# KiCad board Part 10-AMLDC-2044B.kicad_pcb (continued)
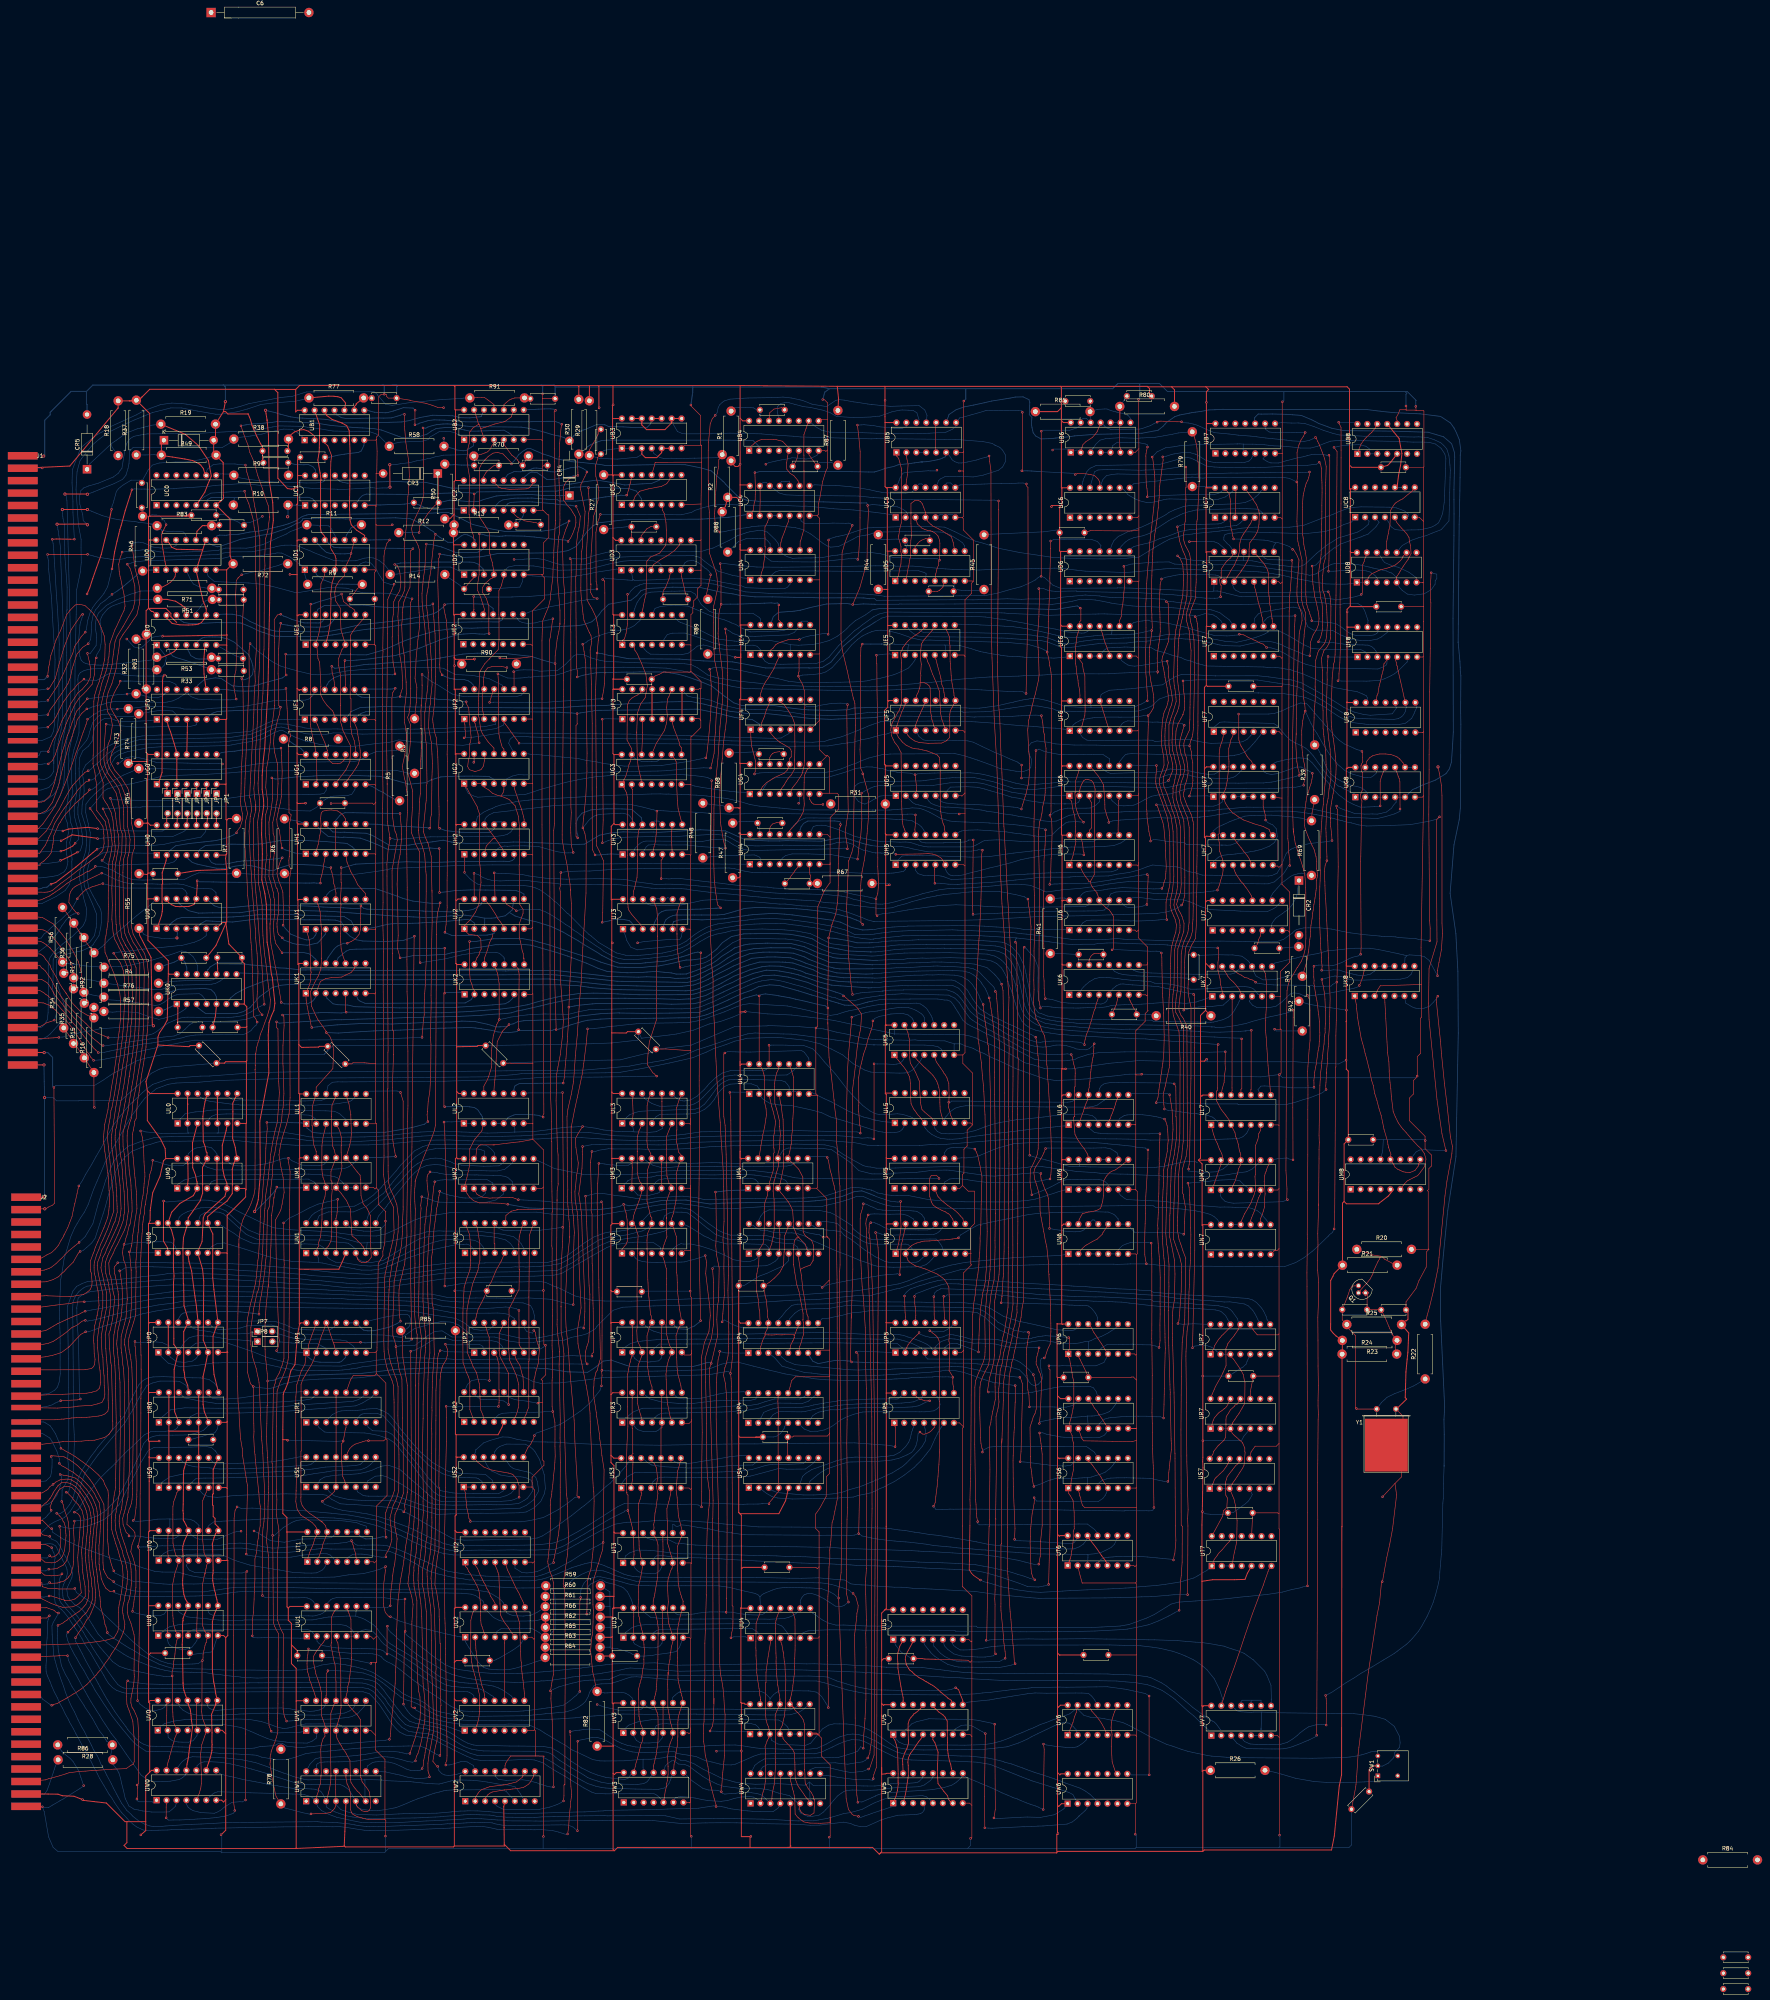
[diagram p0: board, top side]
## Routing (per net, layer and track width the routed paths; a pad name or vN(x,y) marks a point on that pad's centre or on a via; arc(x,y) is an arc through that point) (continued)
V0p1: length 52.8
  Bottom w0.15: UV0.1 110.25,66.46 112.06,67.59 113.47,67.97 113.9,68.09 114.47,68.24 117.16,68.59 118.49,68.59 125.5,68.53 130.39,68.75 133.49,68.67 136.73,68.1 138.26,67.61 140.83,66.65 142.06,66.4 142.57,66.31 143.52,66.44 144.75,66.72 146.89,67.29 148,67.49 149.38,67.48 155.12,67.52 156.49,67.44 157.37,66.76 UV1.5 UV1.6
V0p4: length 36.8
  Bottom w0.15: 150.71,65.8 150.8,64.83 150.84,64.34 ; 150.84,64.34 150.85,64.35 ; 150.84,64.34 150.72,63.84 149.82,63.17 149.63,63.07 148.43,62.6 147.52,62.62 144.81,62.67 143.89,62.73 142.96,62.88 139.97,63.24 138.34,63.73 135.99,64.72 133.97,65.61 131.53,66.57 129.71,66.92 126.69,67.37 125.59,67.34 121.91,67.36 121.37,67.39 119.42,67.38 118.08,66.79 UV0.4
V0p9: length 168.8
  Top w0.15: 153.84,81.16 153.79,81.1 v1(153.72,81.1) 153.72,81.03 153.65,80.97 153.65,80.75 153.3,80.4 153.3,74.86 153.25,74.81 UV1.12
  Bottom w0.15: v1(153.72,81.1) 155.28,81.1 ; UV4.8 275.75,71.71 275.61,71.54 275.45,71.36 274.18,70.55 271.86,69.83 269.38,69.78 267.98,69.79 266.79,69.78 255.94,69.91 254.61,69.92 247.99,69.98 247.97,70.01 239.66,69.92 237.42,69.93 229.08,70.02 226.43,69.91 221.93,69.54 219.32,69.38 217.07,69.06 215.32,68.96 212.67,68.77 210.91,68.71 206.41,68.53 204.04,68.42 203.25,68.46 192.49,68.38 190.15,68.38 188.43,68.46 187.36,68.49 184.48,68.94 183.53,69.15 181.72,69.67 180.17,70.46 179.4,70.9 177.96,71.89 176.63,72.61 175.18,73.22 173.61,73.66 172.38,74.33 171.54,75.01 171.54,75.03 170.71,75.56 170.2,75.98 169.54,76.57 168.5,77.39 167.74,78 166.62,78.77 165.98,79.19 164.85,79.78 162.78,80.5 161.31,80.71 158.78,80.95 157.49,81.02 155.34,81.11 ; UV0.9 122.95,72.24 123.01,72.04 123.18,71.78 123.41,71.51 123.69,71.35 124.3,71.08 125.04,70.98 125.55,70.98 126.47,71.05 129.64,71.32 131.7,71.46 132.75,71.49 139.66,71.54 141.97,71.58 143.14,71.46 144.19,71.34 144.7,71.21 146.56,70.92 147.72,70.84 149.08,70.71 150.19,70.77 151.59,71.07 152.6,71.59 152.94,72.05 UV1.12
V0p12: length 49.1
  Bottom w0.15: UV0.12 115.77,71.94 116.68,71.03 118.02,70.26 120.39,69.72 122.14,69.62 124.33,69.66 125.47,69.72 126.24,69.7 129.35,69.93 130.19,69.9 131.03,70.02 132.14,70.05 137.12,70.24 138.83,70.22 140.57,70.17 143.26,69.93 144.49,69.86 150.29,69.72 152.74,69.86 155.64,70.01 158.03,70.28 159.34,70.84 160.15,71.47 160.5,71.97 UV1.9
V1p13: length 1318.4
  Top w0.15: UV6.13 344.94,70.46 344.49,69.33 344.08,67.9 343.58,66.62 UV6.1 ; 264.25,97.04 264.12,95.96 264.03,95.45 263.84,95.11 263.5,94.28 263.13,93.11 263.07,88.58 263.06,86.88 263.1,86.31 263.09,84.93 263.24,82.56 263.29,81.58 263.32,81.55 263.28,80.61 263.55,78.64 263.87,76.55 263.95,76.1 264.08,74.82 264.18,74.36 264.26,73.8 ; 281.45,246.64 281.76,237.8 282.31,233.26 283.05,226.74 ; 202.51,244.69 v1(202.45,244.79) 202.59,258.72 202.5,259.6 202.28,260.47 UK2.9 201.43,261.45 ; 154.75,337.65 v1(154.71,337.61) 154.79,336.1 155.18,334.55 155.46,332.89 UF1.11 ; 282.49,271.61 283.49,274.42 283.92,277.32 ; 264.26,73.8 264.28,73.66 264.12,72.78 ; 264.26,73.8 264.26,72.67 UV4.13 ; v1(218.29,99.81) 218.29,99.17 218.08,98.96 218.02,80.05 v1(218.08,75.79) ; 152.07,269.23 152.08,271 152,271.08 151.73,274.98 151.11,277.07 UJ1.13 ; 212.97,348.67 213.02,348.37 213.02,351.82 212.42,359.51 212.32,362.82 212.32,364.77 212.51,368.13 212.6,369.52 212.67,370.63 212.9,371.7 213.02,375.1 213,376.54 213.04,380.36 212.9,382.01 212.79,384.58 212.72,387.75 212.81,391.18 212.88,391.25 212.93,394.47 213.02,395.44 213.32,398.73 v1(213.48,399.44) ; 281.45,246.24 281.45,248.22 281.48,248.25 v1(281.48,250.33) 281.43,251.45 v1(281.65,268.24) 282.53,271.73 ; UM4.13 263.89,212.2 264.38,215.31 264.65,216.75 264.85,218 265.29,219.85 265.62,222.03 265.77,223.03 265.67,224.63 265.3,226.21 265.3,231.85 265.2,232.92 265.1,233.52 264.74,234.6 UL4.13 263.91,253.29 263.91,253.29 v1(263.91,253.43) 263.77,253.43 263.7,253.5 ; UM1.13 150.73,213.74 150.73,213.75 150.13,215.35 149.7,218.65 149.78,220.2 149.66,220.33 149.66,221.89 149.81,222.04 149.72,222.12 149.72,225.05 150.05,226.27 UL1.13 150.73,230.12 154.98,234.86 155.23,239.63 154.98,240.66 155.15,240.93 154.2,243.13 153.36,244.02 v1(153.3,244.08) 153.36,244.13 153.36,244.27 151.13,247.44 150.56,248.55 149.53,250.83 149.29,254.54 150.35,256.85 151.27,258.53 151.92,260.29 152.09,263.06 152.11,263.08 151.97,267.77 152.08,269.48 ; 213.02,348.44 212.72,346.44 212.32,344.68 211.79,340.33 v1(211.77,338.31) 211.81,338.26 211.81,323.74 211.7,302.59 211.65,301.66 211.61,297.42 211.42,295.68 211.58,266.49 211.56,265.27 211.67,257.53 v1(212.05,244.82) ; 148.74,86.6 v1(148.74,86.66) 148.59,85.17 148.56,84.89 148.44,84.34 148.39,82.96 148.42,82.08 148.44,81.32 148.56,80.74 148.76,80.12 148.89,79.59 149.04,78.71 149.53,77.53 149.72,76.82 150.04,76.06 150.35,75.14 150.49,74.65 150.71,73.42 ; UK7.4 386.61,255.09 385.66,256.28 385.17,256.88 384.25,257.69 383.65,258.47 383.44,258.82 382.97,259.64 UK7.13 ; 283.91,277.24 284.07,279.3 284.12,281.73 284.12,287.15 284.22,288.7 284.39,293.51 284.46,295.08 284.51,296.46 284.67,296.62 v1(284.67,297.21) ; v1(175.97,399.29) 175.97,402.99 v1(176,403.03) ; 289.38,43.92 289.35,43.92 v1(289.3,43.87) 289.25,43.92 288.12,44.12 287.64,44.45 286.73,45.63 286.14,48.4 v1(284.21,99.65) 284.12,100.63 284.34,102.43 284.85,106.11 285.01,118.72 284.43,172.03 284.48,172.56 284.48,183.09 284.58,184.73 284.55,189.85 284.58,192.25 284.55,204.87 284.42,205.56 284.02,212.87 283.7,215.99 283.7,221.19 283.11,225.59 283.05,226.9
  Top w0.2: UV5.1 298.16,63.94 298.56,63.4 298.97,62.16 299.27,60.81 299.43,54.71 299.4,52.92 299.41,52.58 299.45,52.12 299.23,50.44 299.02,49.62 298.87,49.07 UW5.1
  Bottom w0.15: 326.1,267.13 326.09,267.14 ; 326.09,267.14 327.01,266.8 328.4,266.01 330.27,263.98 331.69,261 332.07,259.2 332.88,255.42 333.2,253.66 333.87,251.26 334.64,249.88 335.26,249.1 335.95,248.93 337.5,248.3 341.14,247.76 342.48,247.63 343.26,247.48 364.22,247.22 364.26,247.26 364.64,246.88 366.07,246.88 368.93,246.86 375.88,246.77 379.18,246.7 ; 326.09,267.14 322.88,267.42 321.22,267.52 320.26,267.6 317.78,267.71 316.86,267.69 316.35,267.75 304.69,267.75 304.67,267.77 303.11,267.68 298.84,267.47 297.69,267.47 296.45,267.38 295.17,267.23 294.34,267.14 292.94,267.04 ; v1(284.21,99.65) 283.13,100.57 282.09,101.17 279.88,102.04 276.88,102.24 276,102.23 274.86,102.27 270.88,102.36 270.33,102.33 268.59,102.12 267.34,101.7 265.72,101.05 265.1,100.76 264.69,100.55 264.11,99.95 ; v1(148.74,86.66) 149.39,86.39 150.21,86.34 150.64,86.34 151.63,86.33 154.27,86.19 155.25,85.99 156.37,85.8 157.55,85.71 160.9,85.41 162.24,85.46 163.07,85.45 164.12,85.46 165.07,85.41 166.16,85.22 167.35,84.69 167.44,84.56 167.97,83.96 168.77,83.42 170.22,82.74 171.45,81.9 172.43,81.16 173.78,80.08 175.04,79.11 175.5,78.72 176.02,78.34 177.67,77.14 178.71,76.28 179.79,75.58 182.39,73.88 183.97,72.77 185.03,72.08 186.47,71.35 187.29,71.03 188.32,70.78 190.64,70.68 190.69,70.72 200.36,70.61 203.78,70.82 208.4,71.38 209.72,71.58 211.2,71.73 213.94,72.3 214.98,73 215.6,73.46 216.85,74.53 217.17,74.75 217.69,75.36 v1(218.08,75.79) ; v1(289.3,43.87) 289.78,43.57 290.82,43.97 291.95,44.35 292.77,44.67 296.38,45.86 297.69,46.3 UW5.1 ; UV5.1 298.9,63.67 299.6,62.87 301.13,62.19 306.1,61.99 307.69,61.99 310.62,62.12 316.45,62.06 321.37,62.21 323.18,62.47 324.16,62.69 325.91,63.18 328,63.97 329.46,64.65 331.05,65.27 332.74,66.02 334,66.51 335.74,67.34 337.32,67.88 338.82,68.49 340.12,68.92 340.98,69.24 343.27,70.07 344.41,70.98 344.7,71.28 UV6.13 345.45,71.08 346.87,69.69 348.57,69.19 350.39,69.1 352.19,68.81 353.75,68.48 354.86,68.35 355.57,68.14 356.83,67.84 357.94,67.34 358.52,67.04 359.79,66.38 360.55,65.96 361.64,65.42 362.34,65.01 363.82,64.2 365.21,63.57 368.01,62.28 369.64,61.78 371.93,60.95 373.42,60.51 374.58,60.24 375.84,59.97 378.43,59.44 379.45,59.28 383.4,58.98 384.33,58.96 386.74,58.87 405.21,58.73 412.61,58.88 414.87,59.04 416.4,59.28 417.77,59.59 419.05,59.95 420.08,60.33 421.35,60.55 421.83,60.36 SW1.3 ; 379.18,246.7 379.99,246.74 380.92,246.97 382.42,247.36 383.81,248.02 384.53,248.63 385.29,249.63 385.5,250.06 386.22,251.29 386.57,252.09 UK7.4 ; 379.18,246.7 379.39,246.69 ; v1(218.29,99.81) 218.29,100.74 218.38,101.7 218.83,102.81 219.18,103.49 219.88,104.24 220.66,104.59 221.26,104.8 222.51,105.08 223.44,105.06 226.15,104.47 228.32,103.88 229.05,103.7 230.18,103.32 231.31,103.09 233.3,102.8 233.74,102.79 235.62,102.79 237.2,102.75 242.31,102.77 244.11,102.78 245.14,102.78 253.45,102.77 256.35,102.37 258.06,101.93 260.2,101.42 262.93,100.81 263.61,100.47 264.11,99.96 264.25,97.04
  Bottom w0.2: 157.44,337.3 155.5,337.11 v1(154.71,337.61) ; v1(175.97,399.29) 176.82,399.52 177.09,399.69 177.97,399.94 ; 163.02,402.99 163.87,402.99 164.48,402.79 165.61,402.49 167.6,402.39 168.46,402.36 168.88,402.39 170.47,402.81 172.99,403.66 175.46,403.57 v1(176,403.03) ; v1(284.67,297.21) 284.67,297.8 284.5,297.97 283.18,298.12 276.34,298.09 275.26,297.49 274.62,296.61 274.36,295.89 UH4.11 ; v1(213.48,399.44) 212.76,399.8 211.68,400.18 207.9,400.16 205.3,400.07 188.96,400.04 187.36,400.22 186.8,400.27 184.87,400.37 183.46,400.5 182.3,400.51 180.85,400.55 179.34,400.36 177.76,399.88 ; v1(211.77,338.31) 208.61,339.19 205.7,340.13 199.89,340.78 198.88,340.87 196.42,340.87 194.38,340.94 192.59,340.94 191.86,340.95 189.85,340.86 188.17,340.72 183.72,339.96 180.57,339.39 175.16,338.77 170.19,338.55 168.09,338.41 165.98,338.18 164.08,338.13 162.83,338.02 161.06,337.71 159.19,337.53 158.53,337.43 157.86,337.29 156.97,337.29 ; v1(153.3,244.08) 156.38,243.94 159.12,244.13 165.36,244.48 166.15,244.52 170.14,244.66 171,244.66 172.24,244.7 182.09,245.17 183.8,245.21 190.13,245.36 191.35,245.25 192.92,245.03 195.76,244.6 197.18,244.22 199.91,244.04 202.03,244.32 v1(202.45,244.79) 202.62,244.62 210.3,244.62 210.91,244.58 211.5,244.82 v1(212.05,244.82) 212.78,244.96 214.34,245.53 215.86,246.07 218.87,246.95 220.13,247.22 223.46,247.51 225.63,247.61 231.28,247.61 231.32,247.65 237,247.73 239.29,247.74 243.43,247.83 245.91,247.85 247.88,247.98 248.7,248.16 250.55,248.63 253.66,249.95 255.78,250.76 258.42,251.97 260.12,252.85 261.48,253.21 262.38,253.48 263.2,253.7 v1(263.91,253.43) 264.38,253.74 264.66,253.82 265.53,253.94 268.52,253.55 268.95,253.44 271.77,252.95 273.17,252.6 276.1,251.96 279.1,251.21 280.74,250.93 281.24,250.57 v1(281.48,250.33) ; v1(281.65,268.24) 283.22,268.13 284.88,267.84 286.54,267.56 288.89,267 292.1,266.99 292.94,267.04
V3p1: length 48.4
  Bottom w0.15: UV4.6 UV4.5 271.38,66.21 271.22,66.64 271.06,66.83 270.04,67.77 269.75,68.03 268.86,68.51 260.78,68.64 237.39,68.65 236.31,68.56 233.01,68.04 232.56,67.92 230.51,67.16 229.2,65.86 UV3.1
V3p4: length 30.5
  Bottom w0.15: 260.57,67.58 259.33,67.5 241.55,67.44 240.3,67.55 238.55,67.46 237.6,67.04 UV3.4 ; 260.31,67.57 261.32,67.55 261.92,67.55 262.98,67.28 263.78,66.58 264,66.11 UV4.2
V3p9: length 193.2
  Top w0.15: 281.56,71.61 281.56,71.66 v1(281.58,71.67) 281.56,71.69 281.56,76.47 281.36,81.67 281.37,83.38 281.42,84.87 281.36,90.43 281.32,92.7 281.47,100.06 281.67,102.69 281.75,107.56 281.97,109.86 281.94,111.88 282.11,113.36 282.22,114.06 282.54,118.9 282.81,119.67 283.22,121.71 283.57,123.42 284.01,125.59 283.87,128.61 283.97,133.93 283.81,180.96 283.44,203.27 283.21,204.08 283.04,205.03 282.85,205.64 282.39,207.83 282.12,208.57 281.61,211.37 v1(281.31,212.18)
  Bottom w0.15: 243.55,75.64 243,75.33 242.46,74.87 242.25,74.69 241.98,74.44 241.84,74.27 241.71,73.63 241.9,72.84 ; 243.55,75.64 244.21,75.79 245.1,75.86 246.54,75.84 253.2,75.87 255.63,75.84 261.18,75.77 262.59,75.74 264.38,75.82 265.41,75.35 266.75,74.02 ; 243.55,75.64 243.43,75.61 ; UV4.12 266.66,73.93 266.75,74.02 ; 266.75,74.02 267.64,75.03 268.24,75.47 269.02,75.93 270.77,75.96 272.58,75.94 272.83,75.96 276.55,75.92 276.56,75.93 277.07,75.88 278.47,75.63 278.92,75.38 279.86,74.5 280.39,73.7 280.92,72.87 281.32,72.23 v1(281.58,71.67) ; UM4.8 276.4,211.92 276.98,212.51 277.04,212.45 280.77,212.45 v1(281.31,212.18)
V3p12: length 54.3
  Bottom w0.15: 222.49,72.39 v1(222.52,72.46) 224.24,71.83 228.06,71.02 232.49,71.05 233.73,71.23 234.15,71.51 234.28,72.12 UV3.12 235.14,71.97 235.65,71.6 236.76,71.15 240.07,71.24 244.36,71.25 251.3,71.29 253.2,71.31 260.86,71.19 262.92,71.12 265.56,71.09 268.87,71 269.62,70.98 271.77,71.08 273.06,71.55 273.48,71.9 UV4.9
V5p4: length 18.8
  Top w0.2: UW5.2 301.28,49.52 301.48,50.67 301.75,52.47 302.03,54.22 301.99,56.92 301.9,57.74 302.02,58.77 302.28,59.38 302.56,59.98 303.12,60.69 304.59,62.88 305.23,63.65 UV5.4
V5p5: length 19.2
  Top w0.2: UW5.7 312.56,47.85 312.31,48.29 312.01,49.16 311.09,50.29 309.61,52.27 309.42,55.02 309.62,60.3 309.12,61.8 308.81,62.69 308.28,63.48 UV5.5
V5p7: length 63.1
  Top w0.15: v1(321.56,40.95) 321.49,49.03 321.51,52.14 v1(321.69,65.02)
  Bottom w0.15: v1(321.56,40.95) 322.49,40.89 323.45,40.86 331.35,41.24 331.76,41.23 333.4,41.29 335.16,41.4 336.43,41.43 337.57,41.52 342.57,41.92 343.85,42.43 345.07,43.36 345.45,43.78 345.66,43.99 345.58,43.92 346.39,44.63 347.18,45.32 347.67,45.91 UW6.3 ; UV5.7 314.11,66.28 315.58,67.13 316.71,67.21 317.74,67.13 318.6,66.83 320.29,65.86 320.89,65.55 v1(321.69,65.02)
V5p12: length 19.3
  Top w0.2: UW5.10 313.03,56.07 312.86,57.1 312.52,58.09 312.29,59.29 312.18,59.89 312.09,60.76 312,62.81 311.96,68.24 311.48,69.03 311.41,69.23 310.86,69.81 309.79,70.56 308.68,71.64 308.32,71.88 UV5.12
V5p13: length 19.3
  Top w0.2: UW5.15 300.61,57.1 300.54,58.54 301.14,60.21 301.66,61.23 301.89,61.93 302.06,62.61 301.96,65.92 301.97,67.53 302.25,68.51 302.73,69.2 303.21,69.71 303.46,70.08 303.88,70.31 304.31,70.65 305.13,71.43 UV5.13
V6p9: length 18.2
  Top w0.15: UV6.9 354.71,70.58 354.48,69.93 354.08,68.7 353.92,67.8 353.82,66.5 354.08,64.79 353.87,61.81 354.1,57.8 354.45,56.72 354.94,55.24 UW6.9
V6p12: length 9.2
  Top w0.15: UV6.12 348.64,71.21 348.92,70.74 350.02,69.5 350.72,68.62 351.39,67.66 352.08,66.39 UV6.5
V7p3: length 243.5
  Top w0.15: v1(407.69,257.66) 407.77,256.78 408.02,255.99 408.28,254.43 408.4,253.7 408.47,252.59 408.58,250.15 408.62,249.66 408.57,246.41 408.5,245.04 408.52,244.09 408.32,243.02 408.24,241.16 408.04,239.86 407.89,238.18 407.68,236.72 407.59,235.55 407.39,234 407.27,232.17 407.17,230.54 406.96,217.82 407.02,216.08 406.96,214.17 406.95,211.8 406.84,199.91 ; 406.45,64.47 v1(406.36,64.6) 406.63,119.7 406.54,129.07 406.63,133.91 406.73,145.15 406.79,146.58 406.7,148.7 406.7,150.15 406.79,153.84 406.7,158.91 406.68,165.53 406.64,171.22 406.89,177.31 406.85,180.25 406.6,183.42 406.58,185.92 406.69,189.99 406.63,192.69 406.82,198.98 406.84,200.3
  Bottom w0.15: 414.49,257.74 415.33,257.51 417.51,257.44 418.56,257.47 421,257.56 421.5,257.6 427.7,257.7 429.56,258.12 430.49,258.96 UK8.8 ; UV7.3 385.16,63.57 385.96,62.61 387.32,61.75 388.53,61.18 394.93,61.1 395.69,61.1 396.7,61.1 397.98,61.15 399.38,61.44 400.43,61.8 402.19,62.47 403.4,63 404.24,63.34 406.05,64.23 v1(406.36,64.6) ; 414.53,257.73 412.7,258.36 411.01,258.52 409.53,258.19 408.68,257.93 v1(407.69,257.66)
V7p11: length 9.2
  Bottom w0.15: 389.85,73.54 392.14,73.54 UV7.9 ; 389.85,73.54 389.6,73.29 UV7.10 ; 389.85,73.54 387.31,73.54 387.06,73.29 UV7.11
V7p12: length 73.8
  Top w0.25: SW1.2 420.76,56.78 419.74,55.76 C21.1
  Bottom w0.15: SW1.2 423.16,56.72 424.66,57.48 426.05,58.86 426.32,60.2 427.52,61.53 427.67,62.65 427.49,64.36 426.17,66.89 423.88,68.66 421.34,69.41 418.01,69.88 415.87,70.11 396.49,70.34 395.98,70.38 395,70.42 392.32,70.52 ; 392.32,70.52 392.14,65.92 392.14,66.43 ; 392.32,70.52 390.2,70.52 389.63,70.44 386.96,70.58 385.95,70.86 385.51,71.3 UV7.12 ; UV7.5 UV7.6 392.14,65.83
(no net): length 27.5
  Bottom w0.15: 123.59,312.75 120.32,312.81 117.86,312.89 109.8,313.09 107.33,313.84 105.49,314.25 103.65,314.54 102.18,314.28 100.33,312.81 v1(100.05,312.81) ; v1(126.79,312.65) 125.81,312.81 123.52,312.75
/C14p2: length 7.6
  Top w0.15: C14.2 222.79,397.46 222.79,396.95 222.08,395.54 220.62,393.03 220.53,391.45
/C29p1: length 7.5
  Bottom w0.2: C29.1 189.64,389.01 188.5,389 187.84,389 186.26,389.11 185.77,389.09 185.07,389.05 R50.2
/Pad6p6: length 2.6
  Top w0.15: 273.98,302.51 273.98,302.6 v1(274,302.62)
  Bottom w0.15: v1(274,302.62) 274.23,302.85 UG4.6
/Pad14p14: length 6.1
  Top w0.15: C12.2 269.12,315.82 267.88,315.62 267.4,315.38 267.39,315.37 267.04,315.03 266.84,314.71 266.61,314.28 UG4.14
/Pad15p15: length 11.5
  Bottom w0.15: R68.2 262.25,315.73 263.11,315.75 263.83,315.71 C12.1 264.37,315.2 264.53,315.04 264.07,314.58 UG4.15
/R50P2: length 55.9
  Top w0.15: CR3.1 182.07,386.59 181.95,381.79 181.89,381.04 181.88,380.91 C28.2 181.05,378.68 179.26,376.63 178.43,375.31 177.18,373.38 v1(177.04,371.78)
  Bottom w0.2: C28.2 183.2,379.64 184.85,380.04 189.9,379.69 192.25,379.71 193.55,380.23 196.73,381.1 199.62,381.34 205.7,381.48 208.76,381.24 210.31,381.24 212.33,381.2 CR4.1 ; R12.1 177.01,371.75 v1(177.04,371.78)
/UG4A: length 5.7
  Top w0.15: 280.39,302.45 280.28,302.35 v1(280.2,302.35) 280.2,302.26 279.52,302.28 277.87,302.4 277.35,302.75 277.32,302.75 277.15,303.09 276.85,303.61 276.77,303.69 UG4.7
A77: length 63.9
  Top w0.15: 88.78,255.3 R35.2 ; 87.95,262.2 87.36,263.11 87,263.64 85.43,265.94 83.93,267.86 83.09,268.88 82.31,269.53 81.93,269.85 81.11,270.25 80.32,270.43 76.05,270.43 J1.77 ; 87.9,262.28 88.41,261.03 88.58,260.03 88.79,258.06 R36.1
  Bottom w0.15: R35.2 88.78,255.3 R36.1 91.14,257.79 92.15,257.59 93.43,257.47 94.69,257.18 R4.1 99.75,256.31 102.37,255.87 107.5,255.33 108.98,255.06 111.26,255.13 115.09,256.18 116.51,256.2 122.7,256.35 124.08,256.42 125.07,256.66 126.17,257.23 127.16,257.95 127.41,258.17 UK0.9
B1p2: length 12.5
  Top w0.25: UB1.2 150.32,396.41 148.73,397.65 147.58,398.05 146.48,397.95 145.18,397.45 143.65,396.32 R38.2 143.65,392.87 C45.2
B1p3: length 54.5
  Top w0.2: UE1.3 153.85,345.87 154.36,348.68 154.51,354.66 154.42,356.02 154.79,358.92 155.46,360.9 UD1.4 155.8,363.62 155.79,365.18 155.6,365.54 155.62,365.82 154.79,367.14 154.36,367.94 154.36,371.34 154.4,372.26 154.44,371.77 154.44,378.36 154.37,378.43 154.37,386.54 154.39,386.55 154.47,389.83 154.67,391.41 153.69,393.94 152.86,394.67 UB1.3
B1p9: length 6.4
  Top w0.25: UB1.9 160.48,403.97 160.95,404.43 160.97,404.67 R77.2 164.88,406.15 C16.1
B1p11: length 146.8
  Top w0.15: UG2.12 193.84,314.19 193.69,313.43 193.48,312.17 192.85,311.22 191.32,310.72 189.88,311.19 189.43,312.01 189.64,313.8 189.88,314.53 189.98,317.89 190.11,318.23 190.32,319.39 189.98,322.83 189.69,327.01 189.06,328.14 v1(189.06,328.56) 189.06,328.53 ; v1(172.18,329.88) 172.39,330.87 172.76,331.97 172.79,333.96 172.59,337.58 172.13,340.17 171.7,345.45 171.7,348.88 171.6,350.32 171.84,354.14 172.78,355.78 173.27,356.93 173.39,357.87 173.39,362.98 173.38,364.34 173.26,366.6 173.22,368.17 173.52,371.32 173.8,373.43 173.87,374.56 173.93,376.27 174.15,380.95 174.29,381.99 174.39,384.8 174.54,386.17 174.37,389.98 173.61,394.9 173.38,397.95 173.29,398.84 v1(173.29,401.93)
  Bottom w0.2: UF1.9 161.08,330.5 161.43,330.17 162.08,329.82 162.27,329.73 163.6,329.64 170.79,329.63 v1(172.18,329.88) 172.51,329.81 172.8,329.77 175.33,329.59 175.9,329.58 177.14,329.49 178.14,329.42 179.63,329.41 181.43,329.24 181.99,329.14 183.9,329.13 185.14,328.99 185.62,328.87 186.5,328.78 186.99,328.71 187.73,328.71 188.23,328.56 v1(189.06,328.56) ; v1(173.29,401.93) 173.29,402.21 172.19,401.7 169.99,401.06 167.95,401 166.45,401.03 162.01,400.95 159.57,400.86 158.3,400.9 157.17,401.12 156.04,401.8 UB1.11
B1p12: length 312.2
  Top w0.15: v1(169.51,369.89) 168.78,369.02 168.24,367.16 168.04,365.77 168.04,364.58 167.89,355.91 167.92,353.5 167.75,342.28 167.81,341.37 167.7,339.33 167.72,337.92 167.73,332.17 167.62,327.78 167.72,309.89 167.75,308.88 167.8,305.73 167.7,301.39 167.81,277.23 167.72,273.44 167.87,267.74 167.89,264.65 167.84,256.15 167.89,249.7 167.89,243.86 167.92,241.96 168.06,212.67 167.93,207.79 168.29,205.22 168.63,203.52 169.74,200.94 170.47,199.5 170.64,192.9 170.31,190.91 169.83,188.9 169.2,186.31 168.9,184.97 168.32,182.25 168.18,180.49 168.01,165.47 168.07,162.65 168.26,160.87 168.88,158.23 169.43,156.75 170.1,155.24 170.45,154.02 170.6,150.41 170.63,149.66 170.74,127.2 170.25,125.7 169.16,123.34 168.5,121.42 168.34,116.76 v1(168.6,115.15)
  Top w0.25: UD1.8 163.11,371.04 161.1,372.35 159.71,373.7 159.37,374.99 159.23,378.51 159.32,383.67 159.37,392.6 159.16,397.81 158.53,399.05 157.31,399.75 154.79,400.67 153.41,401.67 UB1.12
  Bottom w0.2: UD1.8 164.67,369.87 165.47,369.9 169.45,369.95 v1(169.51,369.89) ; UT1.10 UT1.9 162.09,115.3 163.41,114.74 164.5,114.78 165.81,114.84 167.78,115.33 v1(168.6,115.15)
B1p13: length 270.8
  Top w0.15: 173.71,333.63 173.75,330.55 173.24,326.17 173.25,324.01 173.33,323.23 173.65,321.35 173.85,319.7 173.63,317.05 173.4,315.17 172.73,312.01 173.31,308.87 173.55,308.09 173.81,306.05 174.03,304.8 174.07,303.63 174.02,300.83 174.03,300.27 173.8,295.73 173.88,289.67 173.98,281.2 173.98,280.47 174.02,274.31 174.06,273.47 173.94,267.64 173.95,265.53 173.92,262.74 173.97,258.81 173.94,254.61 174.07,251.36 174.07,247.89 174.09,247.55 174.09,242.96 174.07,242.48 174.17,239.23 174.17,225.34 174.15,224.63 174.08,221.42 174.08,210.05 173.88,195.11 173.93,192.19 173.32,184.88 172.97,183.62 172.76,182.45 172.22,180.54 171.9,178.44 171.86,176.86 171.96,171.86 v1(172.26,170.34) ; v1(175.45,367.66) 174.88,367.09 174.7,357.85 173.89,356.06 173.13,354.05 172.87,352.51 172.72,351.34 172.72,349.6 172.58,348.11 172.77,343.37 173.22,340.3 173.71,333.5